# Allegro board HY_DDDW_V10B.brd
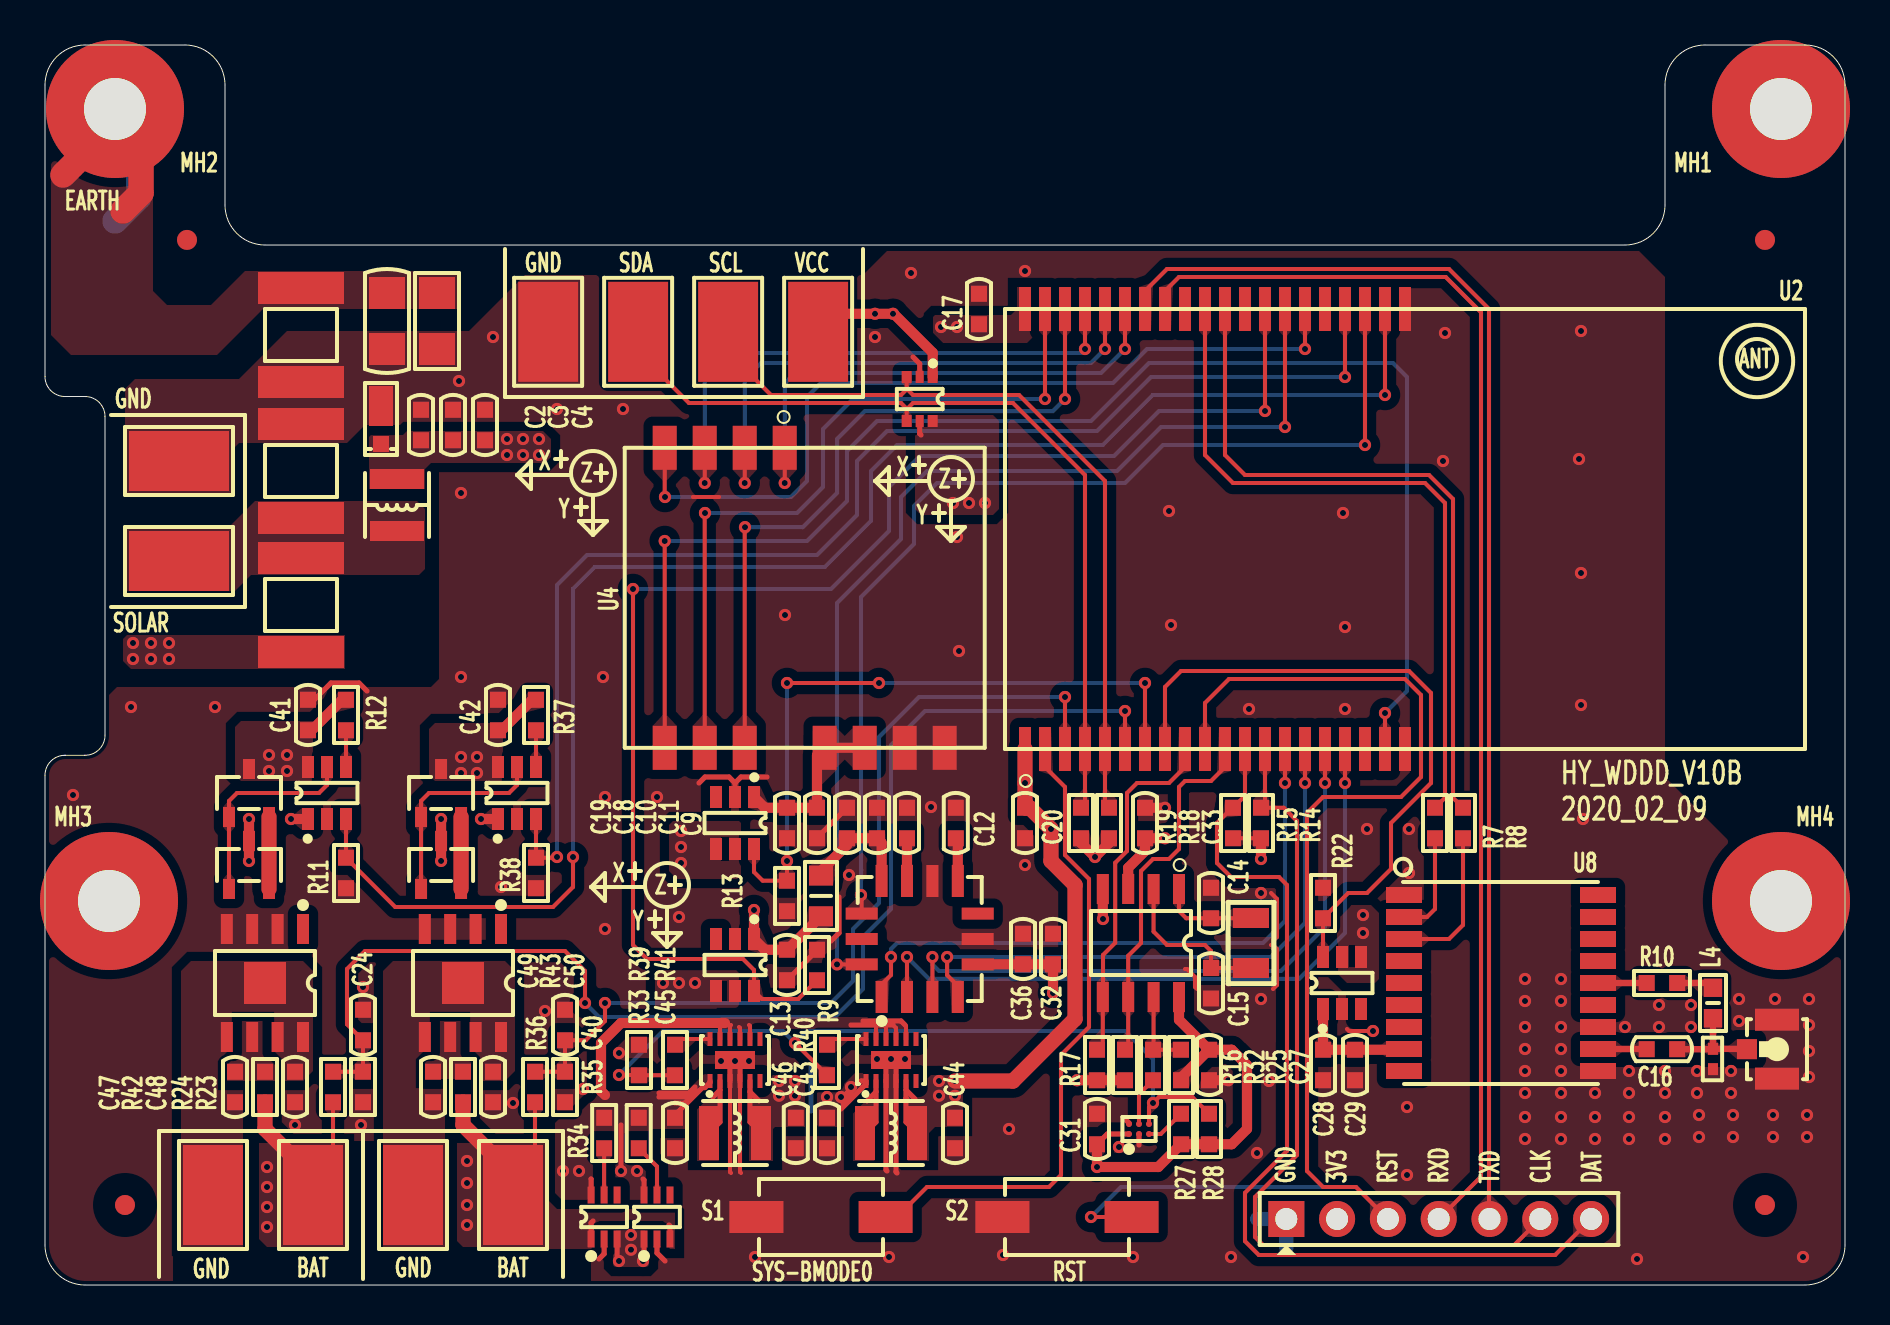
[diagram p0: board, top side]
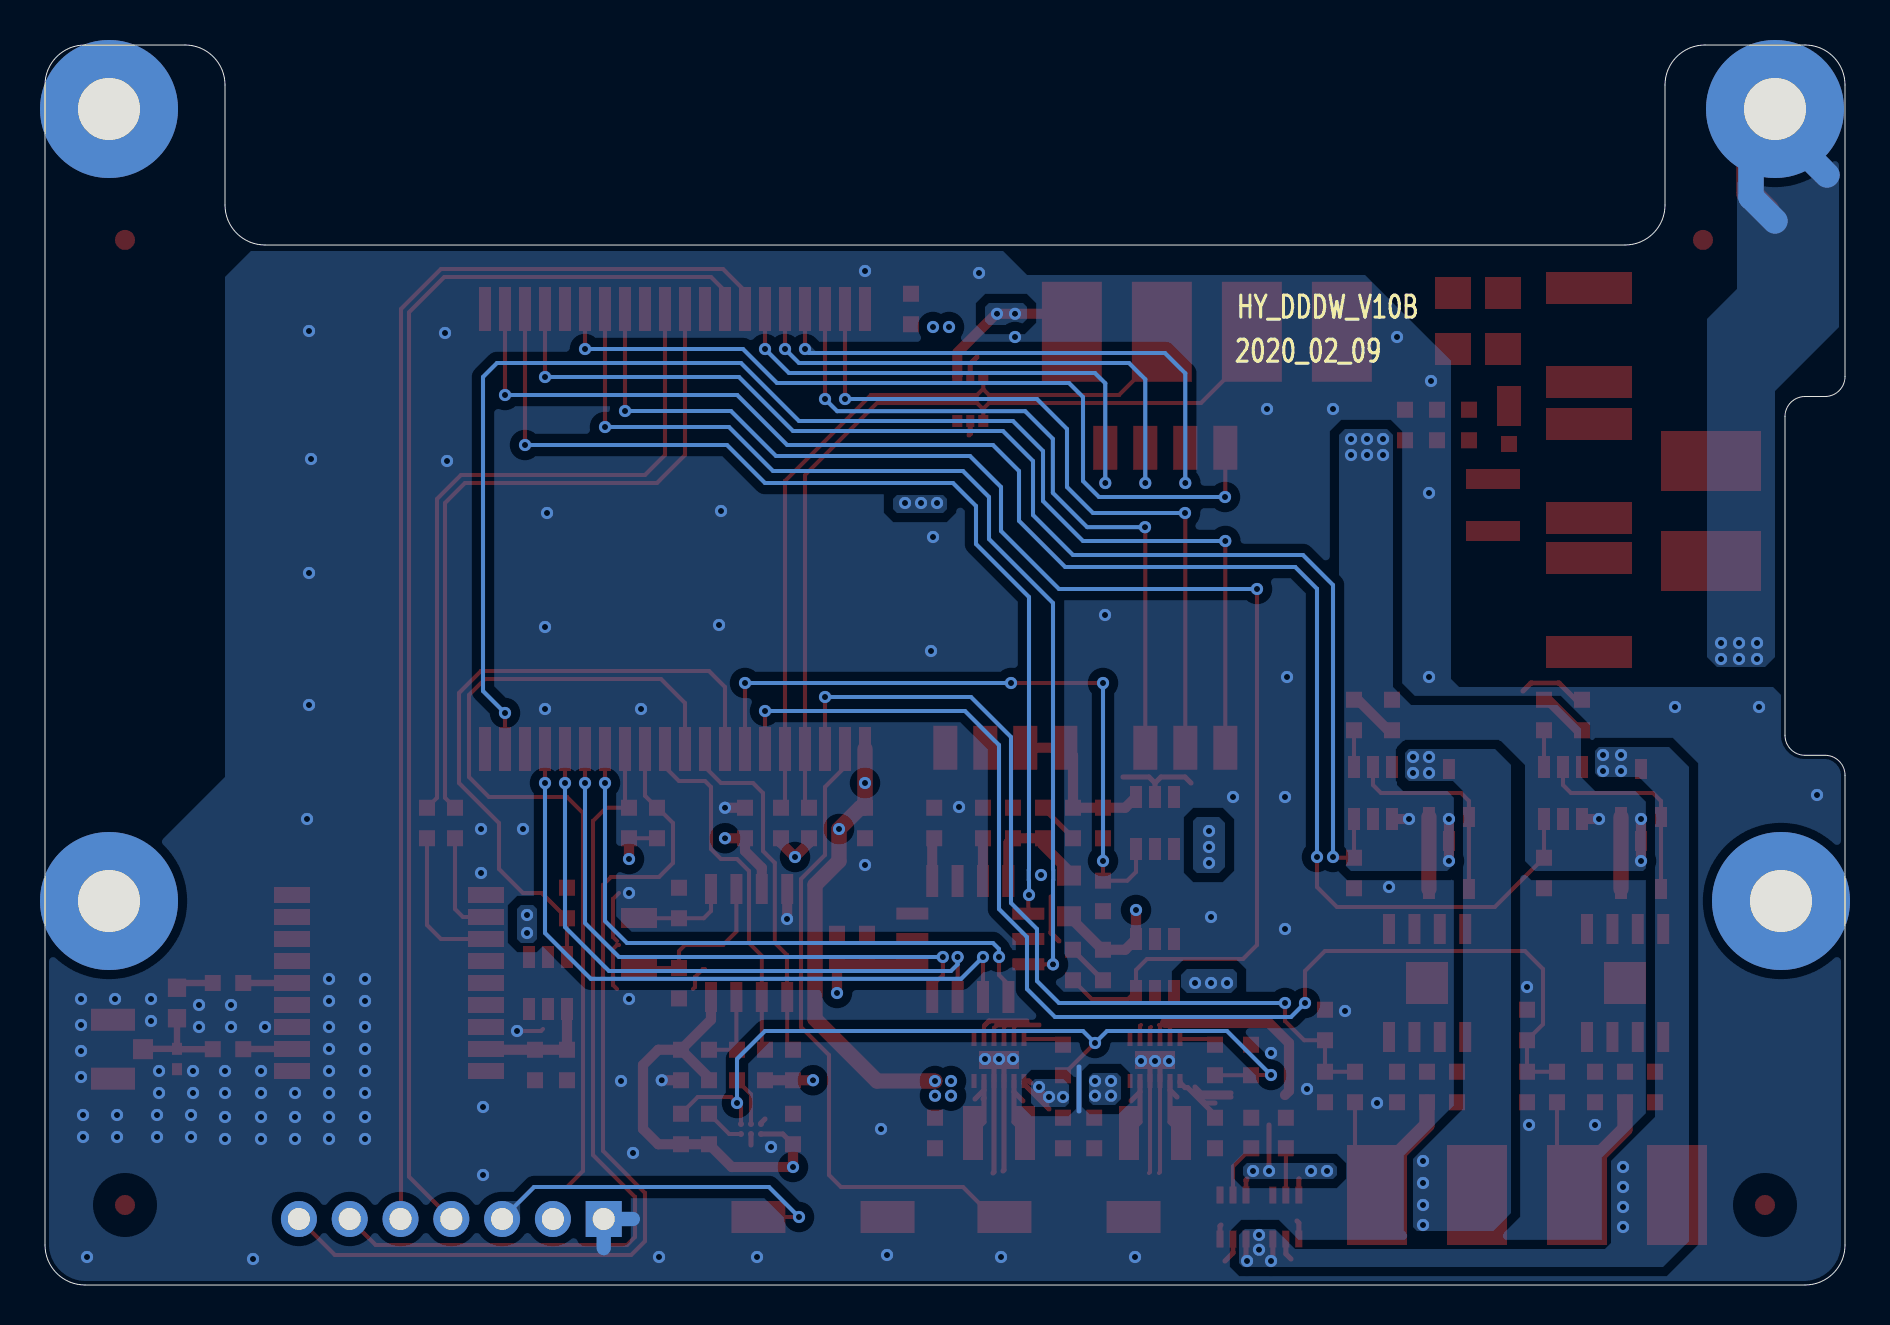
[diagram p1: board, bottom side, seen from below]

Outline 90 x 62 mm; copper layers: TOP, L2_GND, L3_VCC, BOTTOM. Coordinates in mm from the lower left corner of the outline.
Outline path: 0,60 0,45.42 arc(0.29,44.72) 1,44.42 2,44.42 arc(2.71,44.13) 3,43.42 3,27.49 arc(2.71,26.78) 2,26.49 1,26.49 arc(0.29,26.19) 0,25.49 0,2 arc(0.59,0.59) 2,0 88,0 arc(89.41,0.59) 90,2 90,60 arc(89.41,61.41) 88,62 83,62 arc(81.59,61.41) 81,60 81,54 arc(80.41,52.59) 79,52 11,52 arc(9.59,52.59) 9,54 9,60 arc(8.41,61.41) 7,62 2,62 arc(0.59,61.41) 0,60

## Design rules (mm)
constraint set DEFAULT: min track width 0.203, pair gap 0.203

## Placement (name value [footprint] x y rotation side)
C1  1nF_2000V  [C1206]  17.1 48.2 90 top
C2  22uF_10V  [C0603]  18.8 43 90 top
C3  22uF_10V  [C0603]  20.4 43 90 top
C4  22uF_10V  [C0603]  22 43 90 top
C9  0.1uF_25V  [C0603]  43.1 23.1 90 top
C10  10uF_25V  [C0603]  40.1 23.1 270 top
C11  0.1uF_25V  [C0603]  41.6 23.1 90 top
C12  0.1uF_25V  [C0603]  45.54 23.1 90 top
C13  10uF_25V  [C0603]  37.1 16 90 top
C14  12pF_25V  [C0603]  58.3 19.1 270 top
C15  12pF_25V  [C0603]  58.3 15.09 90 top
C16  100pF_25V  [C0603]  80.85 11.79 180 top
C17  0.1uF_25V  [C0603]  46.7 48.8 90 top
C18  0.1uF_25V  [C0603]  38.6 23.1 90 top
C19  10uF_25V  [C0603]  37.1 23.1 90 top
C20  0.1uF_25V  [C0603]  49 23.1 270 top
C24  0.1uF_25V  [C0603]  15.9 13 90 top
C27  0.1uF_25V  [C0603]  58.2 11 90 top
C28  10uF_25V  [C0603]  63.9 11 90 top
C29  10uF_25V  [C0603]  65.5 11 90 top
C31  0.1uF_25V  [C0603]  52.6 7.8 270 top
C32  10uF_25V  [C0603]  50.4 16.8 90 top
C33  0.1uF_25V  [C0603]  55 23.1 270 top
C36  0.1uF_25V  [C0603]  48.9 16.8 90 top
C40  0.1uF_25V  [C0603]  26 13 90 top
C41  22uF_10V  [C0603]  13.15 28.5 270 top
C42  22uF_10V  [C0603]  22.65 28.5 270 top
C43  22uF_10V  [C0603]  39.1 7.6 90 top
C44  22uF_10V  [C0603]  45.5 7.6 270 top
C45  22uF_10V  [C0603]  31.5 7.6 90 top
C46  22uF_10V  [C0603]  37.54 7.6 270 top
C47  10uF_25V  [C0603]  9.5 9.9 90 top
C48  10uF_25V  [C0603]  12.5 9.9 90 top
C49  10uF_25V  [C0603]  19.4 9.9 90 top
C50  10uF_25V  [C0603]  22.4 9.9 90 top
D1  MSP3V3-M3  [DO-219AD]  16.8 43.3 270 top
D2  LXES15AAA1-153  [R0402]  83.4 11.3 90 top
GDT1  4532-091-LF  [SMD4532]  12.8 47.5 270 top
GDT2  4532-091-LF  [SMD4532]  12.8 40.7 270 top
GDT3  4532-091-LF  [SMD4532]  12.8 34 270 top
IPX1  U.FL-R-SMT-1(80)  [IPX3]  86.6 11.79 270 top
J2  -  [CN1X7-2P54-Z]  62.06 3.3 0 top
L1  SWPA3015S2R2MT  [L3015]  17.6 39 90 top
L3  BLM21PG600  [L0805]  38.8 19.45 270 top
L4  47nH  [L0603]  83.4 14.1 270 top
L5  SWPA3015S2R2MT  [L3015]  42.3 7.6 180 top
L6  SWPA3015S2R2MT  [L3015]  34.5 7.6 180 top
MH1  HOLD-M3/NI  [HOLD6R90X3R10]  86.8 58.8 0 top
MH2  HOLD-M3/NI  [HOLD6R90X3R10]  3.5 58.8 0 top
MH3  HOLD-M3/NI  [HOLD6R90X3R10]  3.2 19.2 0 top
MH4  HOLD-M3/NI  [HOLD6R90X3R10]  86.8 19.2 0 top
MP1  MarkPoint/NI  [MARKPOINT_R3]  7.1 52.25 0 top
MP2  MarkPoint/NI  [MARKPOINT_R3]  86 52.25 0 top
MP3  MarkPoint/NI  [MARKPOINT_R3]  4 4 0 top
MP4  MarkPoint/NI  [MARKPOINT_R3]  86 4 0 top
NOREF  -  []  0 0 90 top
NOREF#2  -  []  0 0 0 top
NOREF#3  -  []  0 0 90 top
NOREF#4  -  []  0 0 0 top
NOREF#5  -  []  0 0 90 top
NOREF#6  -  []  0 0 0 top
Q7  CJ3401A  [SOT23-3]  10.2 21 0 top
Q8  CJ3401A  [SOT23-3]  10.2 24.6 0 top
Q9  CJ3401A  [SOT23-3]  19.8 21 0 top
Q10  CJ3401A  [SOT23-3]  19.8 24.6 0 top
R1  10M  [R1206]  19.6 48.2 270 top
R7  1K  [R0603]  69.5 23.1 270 top
R8  1K  [R0603]  70.9 23.1 270 top
R9  47K  [R0603]  38.6 16 90 top
R10  10R  [R0603]  80.85 15.1 180 top
R11  47K  [R0603]  15.05 20.6 90 top
R12  499K  [R0603]  15.05 28.5 90 top
R13  47K  [R0603]  37.1 19.45 270 top
R14  100K  [R0603]  60.8 23.1 90 top
R15  100K  [R0603]  59.4 23.1 90 top
R16  10K  [R0603]  54 11 90 top
R17  10K  [R0603]  52.6 11 90 top
R18  10K  [R0603]  53.2 23.1 90 top
R19  10K  [R0603]  51.8 23.1 90 top
R22  47K  [R0603]  63.9 19.1 270 top
R23  499K  [R0603]  15.9 9.9 270 top
R24  499K  [R0603]  14.4 9.9 90 top
R25  2.37M  [R0603]  56.8 11 90 top
R27  100K  [R0603]  56.8 7.8 90 top
R28  200K  [R0603]  58.2 7.8 270 top
R32  0R  [R0603]  55.4 11 270 top
R33  499K  [R0603]  29.69 7.6 90 top
R34  499K  [R0603]  27.96 7.6 90 top
R35  499K  [R0603]  26 9.9 270 top
R36  499K  [R0603]  24.5 9.9 90 top
R37  499K  [R0603]  24.55 28.5 90 top
R38  47K  [R0603]  24.55 20.6 90 top
R39  1M  [R0603]  29.7 11.25 270 top
R40  0R  [R0603]  39.1 11.25 270 top
R41  0R  [R0603]  31.5 11.25 270 top
R42  100R  [R0603]  11 9.9 270 top
R43  100R  [R0603]  20.9 9.9 270 top
S1  KEY  [KEY-2P-SMD-6R2X3R8X2R5]  38.8 3.4 180 top
S2  KEY  [KEY-2P-SMD-6R2X3R8X2R5]  51.1 3.4 180 top
TP1  SMD5R0X3R0/NI  [SMD5R0X3R0]  25.16 47.66 270 top
TP2  SMD5R0X3R0/NI  [SMD5R0X3R0]  29.66 47.66 270 top
TP3  SMD5R0X3R0/NI  [SMD5R0X3R0]  34.16 47.66 270 top
TP4  SMD5R0X3R0/NI  [SMD5R0X3R0]  38.66 47.66 270 top
TP5  SMD5R0X3R0/NI  [SMD5R0X3R0]  6.7 41.2 0 top
TP6  SMD5R0X3R0/NI  [SMD5R0X3R0]  6.7 36.2 0 top
TP7  SMD5R0X3R0/NI  [SMD5R0X3R0]  8.4 4.5 90 top
TP8  SMD5R0X3R0/NI  [SMD5R0X3R0]  13.4 4.5 90 top
TP10  SMD5R0X3R0/NI  [SMD5R0X3R0]  23.4 4.5 90 top
TP12  SMD5R0X3R0/NI  [SMD5R0X3R0]  18.4 4.5 90 top
U1  SMF05CT1G  [SOT363]  43.73 44.3 180 top
U2  ADF70233ADuCM4050  [ADF70233ADUCM4050]  48 48.8 270 top
U4  -  [HY_IMU_V10A]  28.99 41.86 270 top
U6  TPS22860DBVR  [SOT23-6]  34.5 16 180 top
U8  -  [L76C]  72.8 15.1 0 top
U9  ADM8614Y263ACBZ-R7  [WLCSP6]  54.7 7.8 90 top
U10  MCP79412-I/SN  [SOIC8]  54.8 17.1 180 top
U11  ADXL357BEZ  [LCC14-6X6X1R27]  43.73 17.3 0 top
U14  TPS22860DBVR  [SOT23-6]  34.5 23.1 180 top
U16  LM66100DCKR  [SC70-6]  30.6 3.4 0 top
U17  LM66100DCKR  [SC70-6]  27.96 3.4 0 top
U18  LTC4412ES6  [TSOT23-6]  14.1 24.6 0 top
U19  LTC4412ES6  [TSOT23-6]  23.6 24.6 0 top
U20  TPS22860DBVR  [SOT23-6]  64.85 15.1 0 top
U21  TPS62742DSSR  [WSON12-3R0X2R0X0R5-2R0X0R9]  42.3 11.25 90 top
U22  TPS62742DSSR  [WSON12-3R0X2R0X0R5-2R0X0R9]  34.5 11.25 90 top
U23  IP3005A  [SOIC8-2R10X2R10]  11 15.1 180 top
U24  IP3005A  [SOIC8-2R10X2R10]  20.9 15.1 180 top
X1  ABS07-32.768KHZ-6-T  [X-2P-3R2X1R5-SMD]  60.3 17.1 90 top

## Library data of the parts
C1-C4 C9-C13 C17-C20 C24 C27-C29 C31-C33 C36 C40-C50 = CAP NP_2
C14-C16 = CAP NP
D1 = MSP3V3-M3
D2 = P6SMB_1
GDT1-GDT3 = BA301N
IPX1 = IPEX_0
J2 = CONN RCPT 7
L1 L3 L5 L6 = IND_BEAD_0805_600OHM_1
L4 = INDUCTOR
MH1-MH4 = Hold_1
MP1-MP4 = MarkPoint
Q7-Q10 = MOS-P_0
R1 R7-R19 R22-R25 R27 R28 R32-R43 = R_Generic
S1 S2 = SW PUSHBUTTON_0
TP1-TP8 TP10 TP12 = TestPoint
U1 = SMF05CT1G_1
U2 = ADF70233ADuCM4050
U4 = HY_IMU_V10A
U6 U14 U20 = TPS22860DBVR
U8 = L76C
U9 = ADM8614Y263ACBZ-R7_0
U10 = MCP79412-I/SN
U11 = ADXL357BEZ
U16 U17 = LM66100DCKR
U18 U19 = LTC4412ES6
U21 U22 = TPS62742DSSR
U23 U24 = IP3005A
X1 = XTAL_5032_0

## Footprints (pads in the part's own frame, mm; a bottom-side part is the same pattern mirrored in y, then rotated)
ADF70233ADUCM4050
  rect 2.2x0.6 smd: 1(22,1) 2(22,2) 3(22,3) 4(22,4) 5(22,5) 6(22,6) 7(22,7) 8(22,8) 9(22,9) 10(22,10) 11(22,11) 12(22,12) 13(22,13) 14(22,14) 15(22,15) 16(22,16) 17(22,17) 18(22,18) 19(22,19) 20(22,20) 21(0,20) 22(0,19) 23(0,18) 24(0,17) 25(0,16) 26(0,15) 27(0,14) 28(0,13) 29(0,12) 30(0,11) 31(0,10) 32(0,9) 33(0,8) 34(0,7) 35(0,6) 36(0,5) 37(0,4) 38(0,3) 39(0,2) 40(0,1)
C0603
  rect 0.8x0.8 smd: 1(-0.762,0) 2(0.762,0)
C1206
  rect 1.6x1.8 smd: 1(-1.4,0) 2(1.4,0)
CN1X7-2P54-Z
  rect 1.8x1.8 hole 1.1: 1(0,0)
  round 1.8 hole 1.1: 2(2.54,0) 3(5.08,0) 4(7.62,0) 5(10.16,0) 6(12.7,0) 7(15.24,0)
DO-219AD
  rect 2x1.2 smd: 1(-0.65,0)
  rect 0.8x0.8 smd: 2(1.25,0)
HOLD6R90X3R10
  round 6.9 hole 3.1: 1(0,0)
HY_IMU_V10A
  rect 2.2x1.2 smd: 1(0,8) 2(0,6) 3(0,4) 4(0,2) 5(15,2) 6(15,4) 7(15,6) 8(15,10) 9(15,12) 10(15,14) 11(15,16)
IPX3
  rect 1x1 smd: 1(0,-1.501)
  rect 1.1x2.2 smd: 2(1.473,0) 3(-1.473,0)
KEY-2P-SMD-6R2X3R8X2R5
  rect 2.7x1.6 smd: 1(-3.23,0) 2(3.23,0)
L76C
  rect 1.8x0.8 smd: 1(-4.85,4.4) 2(-4.85,3.3) 3(-4.85,2.2) 4(-4.85,1.1) 5(-4.85,0) 6(-4.85,-1.1) 7(-4.85,-2.2) 8(-4.85,-3.3) 9(-4.85,-4.4) 10(4.85,-4.4) 11(4.85,-3.3) 12(4.85,-2.2) 13(4.85,-1.1) 14(4.85,0) 15(4.85,1.1) 16(4.85,2.2) 17(4.85,3.3) 18(4.85,4.4)
L0603
  rect 0.914x0.914 smd: 1(-0.762,0) 2(0.762,0)
L0805
  rect 1x1.2 smd: 1(-1.016,0) 2(1.016,0)
L3015
  rect 1x2.7 smd: 1(-1.3,0) 2(1.3,0)
LCC14-6X6X1R27
  rect 0.6x1.6 smd: 1(-1.905,-2.9) 2(-0.635,-2.9) 3(0.635,-2.9) 4(1.905,-2.9) 8(1.905,2.9) 9(0.635,2.9) 10(-0.635,2.9) 11(-1.905,2.9)
  rect 1.6x0.6 smd: 5(2.9,-1.27) 6(2.9,0) 7(2.9,1.27) 12(-2.9,1.27) 13(-2.9,0) 14(-2.9,-1.27)
MARKPOINT_R3
  round 1 smd: 1(0,0)
R0402
  rect 0.6x0.5 smd: 1(-0.508,0) 2(0.508,0)
R0603
  rect 0.8x0.8 smd: 1(-0.762,0) 2(0.762,0)
R1206
  rect 1.6x1.8 smd: 1(-1.4,0) 2(1.4,0)
SC70-6
  rect 0.35x0.85 smd: 1(-0.65,-1.1) 2(0,-1.1) 3(0.65,-1.1) 4(0.65,1.1) 5(0,1.1) 6(-0.65,1.1)
SMD5R0X3R0
  rect 5x3 smd: 1(0,0)
SMD4532
  rect 1.6x4.3 smd: 1(-2.349,0) 2(2.349,0)
SOIC8
  rect 0.6x1.5 smd: 1(-1.9,-2.7) 2(-0.63,-2.7) 3(0.64,-2.7) 4(1.91,-2.7) 5(1.91,2.7) 6(0.64,2.7) 7(-0.63,2.7) 8(-1.9,2.7)
SOIC8-2R10X2R10
  rect 0.6x1.5 smd: 1(-1.9,-2.7) 2(-0.63,-2.7) 3(0.64,-2.7) 4(1.91,-2.7) 5(1.91,2.7) 6(0.64,2.7) 7(-0.63,2.7) 8(-1.9,2.7)
  rect 2.1x2.1 smd: 9(0,0)
SOT23-3
  rect 0.6x1 smd: 1(-1,-1.2) 2(1,-1.2) 3(0,1.2)
SOT23-6
  rect 0.6x1.1 smd: 1(-0.95,-1.3) 2(0,-1.3) 3(0.95,-1.3) 4(0.95,1.3) 5(0,1.3) 6(-0.95,1.3)
SOT363
  rect 0.5x0.6 smd: 1(-0.65,-1.1) 3(0.65,-1.1) 4(0.65,1.1) 6(-0.65,1.1)
  rect 0.4x0.6 smd: 2(0,-1.1) 5(0,1.1)
TSOT23-6
  rect 0.6x1.1 smd: 1(-0.95,-1.3) 2(0,-1.3) 3(0.95,-1.3) 4(0.95,1.3) 5(0,1.3) 6(-0.95,1.3)
WLCSP6
  round 0.3 smd: A1(-0.25,0.5) A2(0.25,0.5) B1(-0.25,0) B2(0.25,0) C1(-0.25,-0.5) C2(0.25,-0.5)
WSON12-3R0X2R0X0R5-2R0X0R9
  rect 0.7x0.25 smd: 1(-1.05,1.25) 2(-1.05,0.75) 3(-1.05,0.25) 4(-1.05,-0.25) 5(-1.05,-0.75) 6(-1.05,-1.25) 7(1.05,-1.25) 8(1.05,-0.75) 9(1.05,-0.25) 10(1.05,0.25) 11(1.05,0.75) 12(1.05,1.25)
  rect 0.9x2 smd: 13(0,0)
X-2P-3R2X1R5-SMD
  rect 1x1.8 smd: 1(-1.25,0) 2(1.25,0)

## Nets
GND: C1.1 C2.2 C3.2 C4.2 C9.2 C10.1 C11.2 C12.2 C13.1 C14.1 C15.1 C17.2 C18.1 C19.1 C20.2 C24.2 C27.1 C28.1 C29.1 C31.1 C32.2 C33.1 C36.2 C40.2 C41.1 C42.1 C43.1 C44.2 C45.1 C46.2 C48.1 C50.1 D1.1 D2.1 GDT1.2 GDT2.1 IPX1.2 IPX1.3 J2.1 R1.2 R9.2 R11.1 R13.2 R22.1 R23.2 R35.2 R38.1 R39.1 S1.2 S2.2 TP1.1 TP5.1 U1.2(GND) U2.20 U2.21 U4.10 U4.11 U6.2 U8.1 U8.10 U8.12 U9.A2 U9.B1 U10.4 U11.6 U11.9 U14.2 U16.2 U17.2 U18.2 U19.2 U20.2 U21.3 U21.4 U21.13 U22.3 U22.4 U22.13 U23.2 U23.3 U23.4(VM_3) U24.2 U24.3 U24.4(VM_3)
GND_EARTH: C1.2 GDT1.1 GDT3.2 MH2.1 R1.1
VCC_3.3V: C46.1 L6.1 R18.1 R19.1 TP4.1 U1.1 U1.5 U1.6 U6.4 U6.5 U14.4 U14.5 U20.4 U20.5 U22.5
VCC_3.3V_ADXL: C13.2 C32.1 C36.1 L3.2(B) U6.1(VOUT) U11.5
VCC_3.3V_GPS: C28.2 C29.2 U8.8 U20.1(VOUT)
VCC_3.3V_IMU: C18.2 C19.2 U4.8 U4.9(VCC2) U14.1(VOUT)
VCC_3.3V_RF: C17.1 C20.1 C44.1 J2.2 L5.1 R14.1 R15.1 R16.1 R17.1 U2.1 U2.40(VCC1) U21.5
VCC_4.2V: C27.2 C31.2 C33.2 C43.2 C45.2 R25.1 R27.1 R28.2 R33.2 R34.2 U9.A1 U10.3 U10.8 U16.6(VOUT) U17.6(VOUT) U21.1 U21.8(VSEL4) U21.9 U21.10 U21.11 U22.1 U22.8(VSEL4) U22.9 U22.10 U22.11
VCC_4.2V_BAT1: C41.2 Q8.3 R12.2 R24.1 R42.2 TP8.1 U16.1 U17.3 U18.6
VCC_4.2V_BAT2: C42.2 Q10.3 R36.1 R37.2 R43.2 TP10.1 U16.3 U17.1 U19.6
VCC_SOLAR: GDT2.2 GDT3.1 L1.1 TP6.1
VCC_VIN: C2.1 C3.1 C4.1 D1.2(C) L1.2(B) Q7.3 Q9.3 U18.1(VIN) U19.1(VIN)
BAT1_VAL: C24.1 R23.1 R24.2 U2.6
BAT2_VAL: C40.1 R35.1 R36.2 U2.3
CTL1/P0_14: R11.2 U2.22 U18.3
CTL2/P2_02: R38.2 U2.24 U19.3
CTL_ONOFF: R28.1 R39.2 R40.2 R41.2 U9.C2
GPS_ANT: C16.1 D2.2 IPX1.1 L4.2
I2C0_SCL: R16.2 U2.11 U10.6
I2C0_SDA: R17.2 U2.9 U10.5
I2C_SCL: R18.2 TP3.1 U1.3 U2.5
I2C_SDA: R19.2 TP2.1 U1.4 U2.4
P0_08/EN: R9.1 U2.28 U6.6
P0_09/DR: U2.19 U4.5
P1_11/DRY: U2.27 U11.14
P1_12/SYNC: U2.26 U4.4
P2_09/EN: R13.1 U2.7 U14.6
P2_10/EN: R22.2 U2.8 U20.6
SPI0_CLK: U2.39 U4.6
SPI0_CS0: U2.36 U4.2
SPI0_CS1/RST: U2.35 U4.1
SPI0_MISO: U2.37 U4.3
SPI0_MOSI: U2.38 U4.7
SPI1_CLK: U2.17 U11.2
SPI1_CS0: U2.14 U11.1
SPI1_CS1: U2.18
SPI1_MISO: U2.15 U11.4
SPI1_MOSI: U2.16 U11.3
SWD0_CLK: J2.6 R14.2 U2.13
SWD0_DATA: J2.7 R15.2 U2.12
SYS_BMODE0: S1.1 U2.2
SYS_HWRST_N: J2.3 S2.1 U2.10
SYS_WAKE1/INT1: U2.23 U11.12
UART0_RX_N: J2.4 U2.33
UART0_TX_N: J2.5 U2.34
UART1_RX: R7.1 U2.31
UART1_TX: R8.1 U2.30
WDT_DIS: R32.2 U9.B2(WD_DIS)
N17208194: C14.2 U10.1 X1.2
N17208211: C15.2 U10.2(X2) X1.1
N17208332: R25.2 R32.1 U10.7
N17224833: R27.2 U9.C1
N17247790: R7.2 U8.2
N17247793: R8.2 U8.3
N17248127: C16.2 U8.11
N17248257: R10.2 U8.14
N17257140: C10.2 C11.1 L3.1 U11.11(VSUPPLY)
N17257204: C9.1 U11.10
N17257244: C12.1 U11.8
N17310007: Q7.2(S) Q8.2(S)
N17310043: Q7.1 Q8.1 U18.5
N17310198: R12.1 U18.4
N17312149: R33.1 U16.5
N17312332: R34.1 U17.5
N17313230: Q9.2(S) Q10.2(S)